# Altium PCB LimeSDR-X3_1v1.PcbDoc (part 21 of 25) (continued)
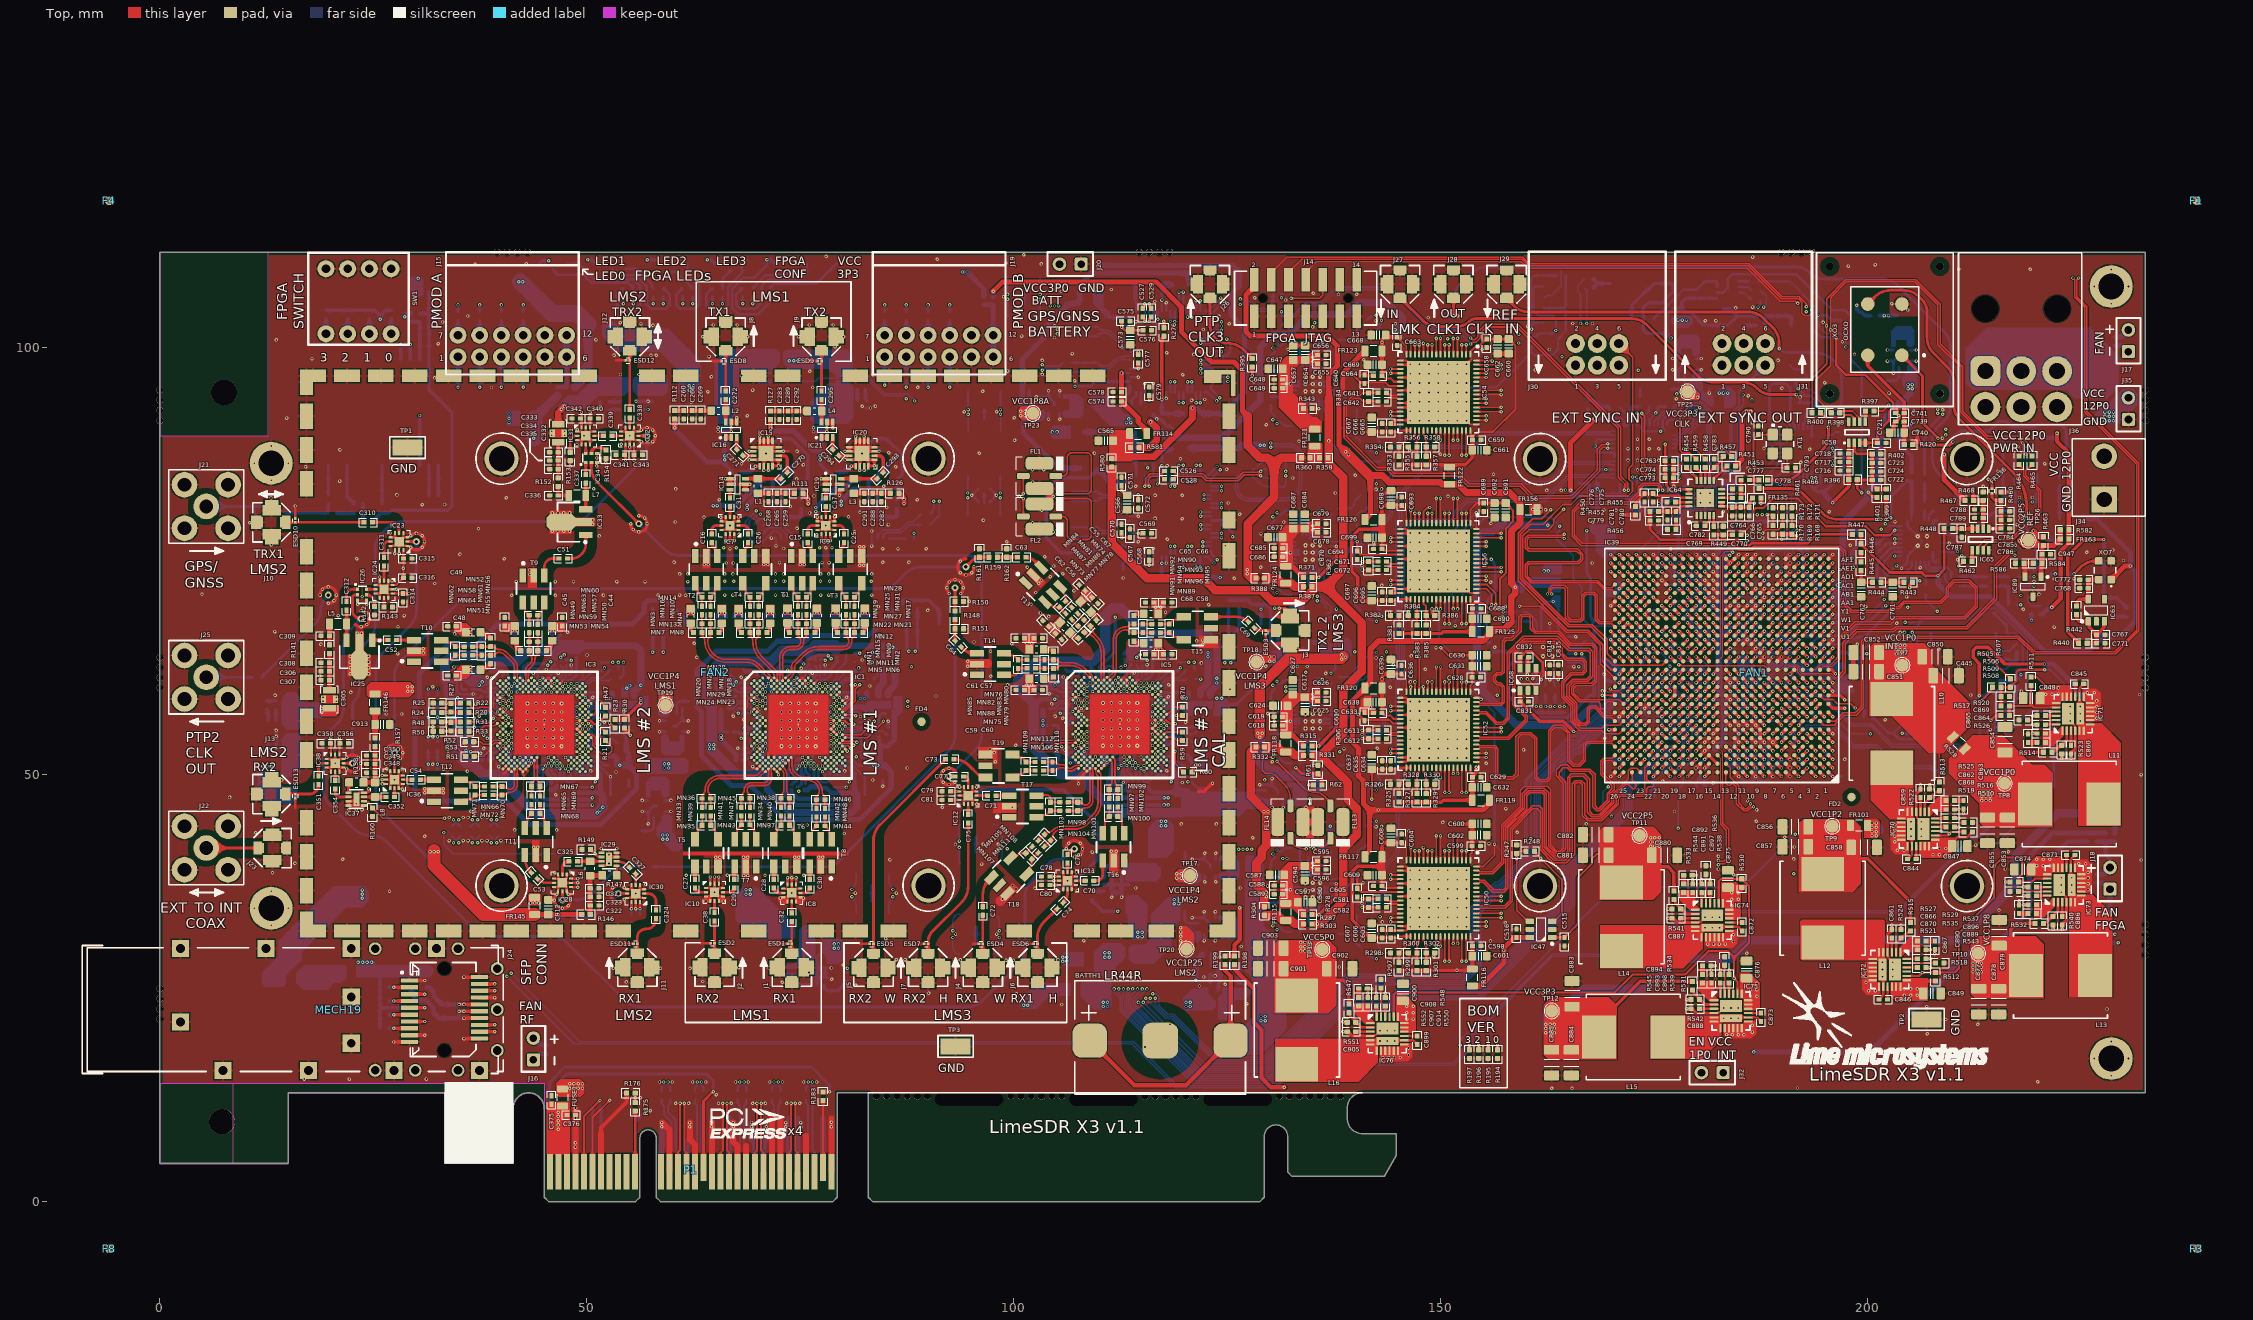
[diagram p0: Top view]
## Nets (pads, with @x,y where several pads share a name; then routed paths per layer and width w, separated by ;. In a path a pad name is that pad's centre, name@x,y a point inside that pad or via, vN(x,y) a via of type N, cw(c..) or ccw(c..) an arc to the next point about the centre after c; other vN are vias at no path point) (continued)
VCC1P0: C469.2 C470.2 C471.2 C472.1 C473.1 C474.1 C475.1 C853.2 C854.2 C855.2 FR100.2 IC39.N13 IC39.R13 IC39.U13 IC39.W13 L11.2 R514.1 R528.1 TP8.1 | length 46.9
  Top w0.2: C855.2@214,44.975 216.4,44.975 216.4,50.025 219.575,46.85 L11.2@219.575,46.5
  Top w0.4: IC39.N13@183.375,62.275 v1(183.875,61.775) ; IC39.R13@183.375,64.275 v1(183.875,64.775) ; IC39.U13@183.375,66.275 v1(183.875,66.775) ; IC39.W13@183.375,68.275 v1(183.875,68.775) ; 217.75,50.75 217.75,51.95 218.423,52.623 R514.1@220.559,52.623 R514.1@220.573,52.623
  Bottom w0.4: C472.1@182.375,67.301 182.399,67.301 183.163,66.537 ; C474.1@183.35,64.275 183.375,64.275 v1(183.875,64.775) C475.1@184.325,64.325 ; v1(183.875,68.775) 184.375,69.275 C471.2@185.375,69.275
  Bottom w0.6: v1@183.832,68.818 183.225,69.425 183.225,75.949 184.201,76.925 C469.2@184.275,76.925
  Bottom w0.8: C470.2@182.125,53.035 183.175,54.085 183.175,59.2 182.575,59.8 182.575,65.95 183.163,66.537
  other v1: 213.325,46.975 213.825,46.975 214.325,46.975 213.325,47.475 213.825,47.475 214.325,47.475 213.325,47.975 213.825,47.975 214.325,47.975
VCC1P0_INT: C445.2 C446.2 C447.2 C448.2 C449.1 C450.1 C451.1 C452.1 C453.1 C454.1 C455.1 C456.1 C457.1 C458.1 C459.1 C460.1 C461.1 C850.2 C851.2 C852.2 IC39.J11 IC39.J13 IC39.K10 IC39.K12 IC39.L11 IC39.L13 IC39.M10 IC39.P10 IC39.T10 IC39.T12 IC39.U11 IC39.V10 IC39.V12 L10.2 R513.1 R528.2 TP7.1 | length 54.1
  Top w0.2: C852.2@201.3,64.45 C852.2@201.3,64.301 C851.2@201.3,62.05 206.35,62.05 203.175,58.875 L10.2@202.825,58.875 ; 206.1,57.275 208.366,55.009 R513.1@208.366,49.116
  Top w0.4: IC39.J13@183.375,58.275 v1(183.875,57.775) ; IC39.L13@183.375,60.275 v1(183.875,59.775) ; IC39.K12@184.375,59.275 v1(184.875,58.775) ; IC39.T12@184.375,65.275 v1(184.875,65.775) ; IC39.V12@184.375,67.275 v1(184.875,67.775) ; IC39.J11@185.375,58.275 v1(185.875,57.775) ; IC39.L11@185.375,60.275 v1(185.875,59.775) ; IC39.U11@185.375,66.275 v1(185.875,66.775) ; IC39.K10@186.375,59.275 v1(186.875,58.775) ; IC39.M10@186.375,61.275 v1(186.875,60.775) ; IC39.P10@186.375,63.275 v1(186.875,63.775) ; IC39.T10@186.375,65.275 v1(186.875,65.775) ; IC39.V10@186.375,67.275 v1(186.875,67.775)
  Bottom w0.4: 183.375,67.275 C453.1@184.375,67.275 v1(184.875,67.775) v1(185.875,66.775) ; v1(183.875,57.775) 183.875,57.76 C448.2@184.35,57.285 ; v1(183.875,59.775) 184.375,59.275 C455.1@184.375,59.242 ; C454.1@184.35,58.25 v1(184.875,58.775) ; C459.1@184.375,66.25 C459.1@184.375,66.275 185.35,65.3 C450.1@185.35,65.275 ; v1(185.875,57.775) 185.9,57.775 C452.1@186.375,58.25 ; v1(185.875,59.775) 185.887,59.775 C449.1@186.4,59.262 186.4,59.25 v1(186.875,58.775) ; v1(186.875,63.775) 187.35,64.25 C457.1@187.35,64.275 187.375,64.275 187.375,65.275 v1(186.875,65.775) ; v1(186.875,67.775) 187.375,67.275 C460.1@187.375,67.25 ; C451.1@187.375,60.3 187.35,60.3 v1(186.875,60.775) 187.35,61.25 C458.1@187.4,61.25
  Bottom w0.6: C447.2@182.3,77.025 182.475,76.85 182.475,68.326 183.4,67.401
  other v1: 203.3,64.125 203.8,64.125 204.3,64.125 203.3,64.625 203.8,64.625 204.3,64.625 203.3,65.125 203.8,65.125 204.3,65.125
VCC1P2: C856.2 C857.2 C858.2 FR101.2 L12.2 R515.1 TP9.1 | length 23
  Top w0.2: C856.2@193,43.875 193,41.475 C858.2@198.05,41.475 194.875,38.3 L12.2@194.525,38.3
  Top w0.4: 198.775,40.125 199.975,40.125 204.984,35.116 204.984,34.82 204.984,32.684 R515.1@204.984,32.67
VCC1P4_LMS1: C932.2 FR18.2 FR19.2 FR20.2 FR21.2 FR22.2 FR23.2 IC82.1 R75.1 R564.1 TP19.1 | length 79.4
  L4 w0.5: v1(80.391,47.157) 80.789,47.157 81.441,46.505
  L4 w1: 66.175,54.825 66.175,52.396 72.546,46.025 77.7,46.025 78.529,45.196 80.76,45.196 81.441,45.877 81.441,46.505
  L4 w1.5: 80,64.721 80.85,65.571 82.65,65.571 83.673,64.548
  L4 w2: 61.3,59.245 65.703,54.842 ; 61.3,59.7 66.321,64.721 80,64.721
  L4 w2.5: 59.25,59.325 60.95,59.325
  Bottom w0.3: C932.2@58.641,58.612 58.641,57.606 59.005,57.242 59.205,57.242 IC82.1@59.205,57.042
  Bottom w0.35: 65.703,55.012 65.741,54.974 FR20.2@66.51,54.974 ; FR23.2@76.697,63.34 76.697,63.718
  Bottom w0.4: 76.697,63.718 76.991,64.012 78.151,64.012 v1(78.251,63.912) v1(78.599,63.565)
  Bottom w0.5: FR19.2@73.953,48.162 73.953,47.918 74.715,47.157 v1(80.391,47.157)
  Bottom w0.6: 65.703,57.562 65.703,55.012 v1(65.703,54.567) v1(65.703,54.122) 67.472,52.353 FR22.2@67.472,51.715
  Bottom w0.8: R75.1@84.156,59.294 84.156,60.152 84.703,60.699 84.703,62.494 84.866,62.657 84.866,63.4
  other v1: 58.941,59.063 59.441,59.063 58.941,59.563 59.441,59.563 83.403,64.304 83.925,64.296
VCC1P4_LMS2: C928.2 FR51.2 FR52.2 FR53.2 FR54.2 FR55.2 FR56.2 IC80.1 R87.1 R562.1 TP17.1 | length 132.2
  L8 w1: v1@47.003,63.662 v1(47.353,64.012) 47.529,64.188 48.703,64.188 53.366,59.525 54.084,59.525 v1(54.655,60.096) v1(54.991,60.432)
  L8 w1.3: 50.925,47.45 52.15,47.45
  L8 w1.5: 52.15,47.45 57.175,52.475 57.175,56.075 54.275,58.975 54.275,59.4
  L8 w2.5: 57.725,53.3 61.225,53.3 65.25,49.275 66.5,49.275 69.35,46.425 77.65,46.425 79.425,44.65 86.325,44.65 86.55,44.425 112.4,44.425 118,38.825 119.25,38.825
  L6 w0.6: v1(37.559,52.516) 36.125,53.95 36.125,57.125 36.55,57.55 37.3,57.55 38.15,58.4 38.15,59 43.1,63.95 46.15,63.95 46.382,63.718 v1(46.947,63.718) 47.059,63.718 v1(47.353,64.012)
  Bottom w0.3: C928.2@120.03,37.586 121.036,37.586 121.4,37.95 121.4,38.15 IC80.1@121.6,38.15
  Bottom w0.35: 35.953,55.012 FR53.2@35.991,54.974 ; FR56.2@46.947,63.34 v1(46.947,63.718)
  Bottom w0.4: v1(46.947,63.718) 47.241,64.012 v1(47.353,64.012)
  Bottom w0.5: FR52.2@44.203,48.162 44.203,47.918 45.04,47.082 50.441,47.082 v1(50.641,47.282)
  Bottom w0.6: 35.953,57.562 35.953,55.012 35.953,54.122 v1(37.559,52.516) 37.722,52.353 FR55.2@37.722,51.715
  Bottom w0.8: R87.1@54.406,59.294 54.406,59.838 v1@54.953,60.385
  other v1: 119.08,37.886 119.58,37.886 119.08,38.386 119.58,38.386
VCC1P4_LMS3: C930.2 FR84.2 FR85.2 FR86.2 FR87.2 FR88.2 FR89.2 IC81.1 R99.1 R563.1 TP18.1 | length 79.8
  L4 w1.5: 103.068,56.075 103.068,59.889 103.65,60.471 103.65,61.675 106.175,64.2 114.325,64.2 116.025,65.9 117.45,65.9 119.15,64.2 120.029,64.2 120.033,64.204 129.546,64.204 130.213,63.538 130.225,63.525
  L8 w1.5: v1(103.4,56.3) v1(103.4,55.775) 101.9,54.275 101.9,52.425 106.575,47.75 118.125,47.75
  Bottom w0.3: C930.2@130.9,62.975 131.906,62.975 132.27,63.339 132.27,63.539 IC81.1@132.47,63.539
  Bottom w0.35: 103.393,55.029 103.431,54.991 ; v1@103.431,55.741 FR86.2@103.951,55.741 ; FR89.2@114.387,63.356 v1(114.387,63.735)
  Bottom w0.4: v1(114.387,63.735) 114.681,64.029 v1(114.793,64.029)
  Bottom w0.5: FR85.2@111.643,48.179 112.524,47.298 v1(118.081,47.298)
  Bottom w0.6: 103.393,57.579 103.393,55.029 103.393,54.407 104.329,53.471 104.329,53.203 105.162,52.37 105.162,51.731
  Bottom w0.8: R99.1@121.846,59.31 121.846,59.855 122.725,60.734 v1(122.725,63.8) v1@122.725,64.2
  other v1: 117.575,47.3 129.95,63.275 130.45,63.275 129.95,63.775 130.45,63.775 122.725,64.275
VCC1P8: C462.2 C463.2 C464.1 C465.1 C466.1 C467.1 C468.1 C877.2 C878.2 C879.2 FR102.1 FR156.1 IC39.J9 IC39.L9 IC39.N9 IC39.R9 IC39.U9 L13.2 R198.1 R484.2 R532.2 TP10.1 | length 233
  Top w0.2: C877.2@212.975,24.925 215.375,24.925 C879.2@215.375,29.975 218.55,26.8 L13.2@218.55,26.45
  Top w0.4: IC39.J9@187.375,58.275 v1(187.875,57.775) ; IC39.L9@187.375,60.275 v1(187.875,59.775) ; IC39.N9@187.375,62.275 v1(187.875,61.775) ; IC39.R9@187.375,64.275 v1(187.875,64.775) ; IC39.U9@187.375,66.275 v1(187.875,66.775) ; 216.725,30.7 216.725,31.9 217.398,32.573 219.534,32.573 R532.2@219.548,32.573
  Top w0.5: R198.1@125.825,27.775 125.825,27.2 128.1,24.925 128.1,20.975 128.975,20.1 128.975,14.5 130.1,13.375 v1(131.65,13.375)
  L4 w0.4: v1(187.875,64.775) 188.375,65.275 188.375,66.275 v1(187.875,66.775)
  L10 w1.5: 161.2,80.975 161.2,75 164.25,71.95 164.25,62.425 166.925,59.75 166.925,49.6 169.1,47.425 172.575,47.425 177.85,42.15 184.95,42.15
  L10 w1.8: 184.95,42.15 191.25,35.85 204.375,35.85 v1(212.3,27.925) v1(212.8,27.425)
  L6 w0.6: v1@131.65,13.425 148.95,13.425 149.4,13.875 165.8,13.875 166.05,13.625 188.275,13.625 191.25,16.6 201.975,16.6 v1(212.3,26.925) v1(212.8,27.425)
  Bottom w0.4: C464.1@187.375,66.275 v1(187.875,66.775) C467.1@188.375,66.275 ; v1@187.875,57.776 C465.1@188.375,58.276 ; v1(187.875,59.775) C466.1@188.375,59.275 ; v1(187.875,61.775) 188.375,62.275 188.375,64.275 ; v1(187.875,64.775) 188.375,64.275 ; C468.1@189.4,64.275 188.375,64.275 ; 190.255,62.775 190.375,62.895 C463.2@190.375,63.275
  Bottom w0.8: FR102.1@188.625,62.775 190.255,62.775 191.885,62.775 192.585,62.075 193.775,62.075 194.425,62.725 C462.2@197.025,62.725
  other v1: 212.8,26.925 213.3,26.925 212.3,27.425 213.3,27.425 212.8,27.925 213.3,27.925 162.075,73.85 162.559,73.85 160.759,81.05 161.718,81.05
VCC1P8_FADC: C500.2 C501.1 FR102.2 IC39.M12 | length 6.6
  Top w0.4: IC39.M12@184.375,61.275 v1(184.875,60.775)
  Bottom w0.4: C500.2@183.375,60.275 C501.1@184.375,60.275 v1(184.875,60.775) 185.375,60.275 186.125,60.275 186.375,60.525 186.375,62.525 FR102.2@186.625,62.775
VCC1P8_LMS1: C7.2 C8.2 C9.2 C10.2 C11.2 C12.2 C13.2 C14.2 C17.2 C18.2 C19.2 C20.2 C21.2 C22.2 C23.2 C24.2 C921.2 FR24.2 FR25.1 FR26.1 FR27.2 FR28.2 FR29.2 FR30.2 FR31.2 FR149.2 FR152.1 FR155.1 MN1.2 MN2.2 MN3.2 MN4.2 MN17.2 MN18.2 MN19.2 MN20.2 R79.2 R85.2 R86.1 TP16.1 | length 29.3
  L4 w0.6: v1(80.391,46.432) 79.918,46.432 79.55,46.8 79.55,47.5 79.946,47.896 80.767,47.896 81.1,48.228 81.1,48.79 v1(80.735,49.155)
  L10 w0.4: 76.45,63.925 76.987,63.388 v1(77.916,63.388)
  Bottom w0.3: v1(67.489,60.855) 67.651,60.693 FR24.2@68.047,60.693 ; 73.578,49.562 73.578,50.606 73.681,50.71 73.681,51.874 FR28.2@74.301,52.494 ; 73.674,49.658 FR27.2@74.146,49.658 ; R79.2@77.341,63.513 77.791,63.513 v1(77.916,63.388)
  Bottom w0.35: 72.787,61.525 72.787,60.045 73.147,59.685 FR29.2@73.392,59.685
  Bottom w0.4: v1(67.718,57.176) FR25.1@68.068,57.176 ; v1(68.067,54.235) FR26.1@68.592,54.235 ; 72.787,61.525 72.322,61.99 72.322,62.539 73.065,63.282 75.063,63.282 v1(75.396,62.949) ; v1(80.735,49.155) R86.1@80.735,49.683
  Bottom w0.5: 73.578,49.562 73.347,49.331 73.347,47.426 74.341,46.432 v1(80.391,46.432)
  other v1: 68.625,36 69.125,36 68.625,36.5 69.125,36.5 59.075,50.775 59.575,50.775 59.075,51.275 59.575,51.275 67.116,60.482 61.829,68.906 62.43,68.906 65.509,68.906 66.111,68.906 67.459,68.906 68.061,68.906 71.139,68.906 71.741,68.906 73.183,68.93 73.785,68.93 76.615,68.93 77.217,68.93 78.81,68.93 79.411,68.93 82.241,68.93 82.843,68.93
VCC1P8_LMS2: C43.2 C44.2 C45.2 C46.2 C47.2 C48.2 C49.2 C50.2 C917.2 FR57.2 FR58.1 FR59.1 FR60.2 FR61.2 FR62.2 FR63.2 FR64.2 FR147.2 FR150.1 FR153.1 MN49.2 MN50.2 MN51.2 MN52.2 R91.2 R97.2 R98.1 TP14.1 | length 33.2
  L4 w0.4: v1(45.401,62.816) 45.439,62.816 45.698,62.557 46.916,62.557 47.748,63.388 v1(48.166,63.388)
  L8 w0.4: 44.376,63.841 v1(45.401,62.816)
  L8 w0.5: 47.2,47.225 49.13,49.155 v1(50.985,49.155) ; 49.5,44.95 50.641,46.091 v1(50.641,46.432)
  Bottom w0.3: 43.828,49.562 43.828,50.606 43.931,50.71 43.931,51.874 FR61.2@44.551,52.494 ; 43.924,49.658 FR60.2@44.396,49.658
  Bottom w0.35: 43.037,61.525 43.037,60.045 43.397,59.685 FR62.2@43.642,59.685
  Bottom w0.4: v1(37.968,57.176) FR58.1@38.418,57.176 ; v1(38.317,54.235) FR59.1@38.842,54.235 ; 43.037,61.525 42.572,61.99 42.572,62.539 42.99,62.957 45.26,62.957 v1(45.401,62.816) ; R91.2@47.541,63.388 v1(48.166,63.388) ; v1(50.985,49.155) R98.1@50.985,49.683
  Bottom w0.5: 43.828,49.562 43.597,49.331 43.597,47.426 44.591,46.432 v1(50.641,46.432)
  other v1: 128.925,21.175 129.425,21.175 128.925,21.675 129.425,21.675 37.366,60.482 37.739,60.855 36.37,61.981 36.37,62.582 36.37,66.381 41.24,66.861 41.842,66.861 45.64,66.861 46.242,66.861 36.37,66.982
VCC1P8_LMS3: C55.2 C56.2 C57.2 C58.2 C59.2 C60.2 C61.2 C62.2 C65.2 C66.2 C67.2 C68.2 C918.2 FR90.2 FR91.1 FR92.1 FR93.2 FR94.2 FR95.2 FR96.2 FR97.2 FR148.2 FR151.1 FR154.1 MN73.2 MN74.2 MN75.2 MN76.2 MN89.2 MN90.2 R103.2 R109.2 R110.1 TP15.1 | length 57.9
  Top w1.2: 128.794,54.7 128.794,54.84 128.794,60.319 132.053,63.578 138.328,63.578 138.6,63.85
  L4 w0.6: v1(117.575,46.448) v1(118.081,46.448) 118.698,46.448 119.206,46.956 119.206,48.391 v1(118.425,49.172)
  Bottom w0.3: 111.268,49.579 111.268,50.623 111.371,50.726 111.371,51.89 FR94.2@111.991,52.51 ; 111.364,49.715 FR93.2@111.79,49.715
  Bottom w0.35: 110.477,61.542 110.477,60.061 110.837,59.701 FR95.2@111.082,59.701
  Bottom w0.4: v1(104.557,54.326) FR92.1@104.882,54.326 ; v1(105.408,57.192) FR91.1@105.758,57.192 ; 110.477,61.542 110.012,62.007 110.012,62.556 111.85,64.393 v1(111.85,68.411) ; R103.2@114.981,63.405 v1(115.606,63.405) ; v1(118.425,49.172) R110.1@118.425,49.699
  Bottom w0.5: 111.268,49.579 111.037,49.348 111.037,47.788 112.377,46.448 v1(117.575,46.448) v1(118.081,46.448)
  Bottom w1.2: 128.8,54.736 128.8,51.529 129.904,50.425 130.775,50.425 131.325,49.875 134.775,49.875 135.555,49.095 FR154.1@135.555,48.411
  other v1: 117.269,44.025 117.769,44.025 117.269,44.525 117.769,44.525 128.794,54.39 128.544,54.84 129.069,54.84 101.498,60.474 102.064,60.474 104.806,60.498 105.18,60.872 138.375,63.491 138.825,63.741 138.375,64.016 116.59,64.651 117.156,64.651 101.517,65.413 102.083,65.413 105.044,67.097 104.644,67.497 116.609,69.589 117.175,69.589 108.55,70.575 108.15,70.975
VCC1P8A: C516.1 C530.2 C531.2 C532.2 C533.2 C942.2 FR105.1 FR106.1 FR107.1 FR108.1 FR116.1 FR117.1 FR119.1 FR120.1 FR122.1 FR123.1 FR125.1 FR126.1 FR156.2 IC47.6 IC86.1 R483.1 R576.2 TP23.1 | length 248.6
  Top w0.6: v1(138.829,87.821) 138.05,88.6 138.05,94.3 138.525,94.775 138.525,97.05 FR123.1@141.1,99.625 ; FR117.1@141.1,40.375 141.1,40.625 141.2,40.725 141.299,40.725 141.65,41.076 141.65,45.85 ; FR126.1@141.1,79.875 141.75,80.525 141.75,84.9 141.75,85.025 ; FR120.1@141.299,60.475 141.2,60.475 141.1,60.375 FR120.1@141.1,60.125 139.625,58.65 139.625,53.8 140.375,53.05 140.375,49.8 140.925,49.25 140.925,46.575 141.65,45.85 ; FR116.1@153.675,25.25 154.65,25.25 157.375,27.975 157.375,29.725 158.572,30.922 C516.1@158.833,30.922 IC47.6@160.422,30.922 ; FR125.1@155.575,66.3 155.575,66.65 FR125.1@155.675,66.75 ; FR119.1@155.675,47 155.575,46.9 155.575,46.55 154.875,45.85 v1(142.65,45.85) 141.65,45.85
  Top w0.7: FR120.1@141.299,60.475 141.725,60.901 141.725,64.675 142.67,65.62 154.895,65.62 FR125.1@155.575,66.3
  Top w0.8: 141.75,85.025 143.15,85.025 143.95,84.225 149.909,84.225 150.134,84 FR122.1@151,84 152,84 152.975,83.025 158.05,83.025 159.25,81.825 159.25,79.475 158.275,78.5 158.275,72.35 v1(158.7,71.925) 158.7,71.225 158.225,70.75 158.225,67.825 157.4,67 FR125.1@155.675,67
  Top w1.2: v1(138.829,87.821) v1(139.175,87.475) 141.75,84.9
  L6 w0.8: v1(142.65,45.85) 142.975,45.85 144.1,44.725 144.1,40.375 145.2,39.275 145.2,32.025 146.025,31.2 153,31.2 154.8,29.4 v1(157.35,29.4)
  L6 w1.3: 101.05,92.3 101.5,92.75 111.95,92.75 112.325,93.125 114.475,93.125 115,92.6 117.875,92.6 121.925,88.55 128.5,88.55 129.875,87.175 138.525,87.175 139,87.65
  Bottom w0.3: C942.2@101.75,91.737 C942.2@101.775,91.737 102.756,91.737 103.12,92.101 103.12,92.301 IC86.1@103.32,92.301
  Bottom w0.6: 101.1,91.8 101.1,90.075 105.297,85.878 C531.2@106.428,85.878 ; v1(101.3,92.537) 100.975,92.863 100.975,98.6 103.85,101.475 103.85,102.575 C533.2@106.428,105.153 ; C531.2@106.428,85.878 FR106.1@107.702,85.877 ; C533.2@106.428,105.153 106.457,105.181 107.356,105.181 107.577,105.402 107.602,105.402 107.702,105.502 FR108.1@107.702,105.752 107.702,107.352 109.075,108.725 C532.2@120.504,108.725 FR107.1@120.504,107.389
  Bottom w0.8: FR105.1@120.691,88.251 C530.2@122.941,88.251 126.276,88.251 126.577,88.552 v1(128.836,88.552) v1@129.275,88.552
  other v1: 129.325,88.552 100.8,92.037 101.3,92.037 100.8,92.537
VCC1P8A_LMS2_BB_ADC1: C603.2 C604.2 C605.2 C606.2 C607.2 C608.2 C609.1 FR117.2 IC50.16 IC50.22 IC50.33 IC50.34 | length 29
  Top w0.2: C608.2@144.15,42.025 145.375,42.025 145.375,41.975 145.525,41.825 145.575,41.825 145.95,41.45 IC50.16@145.95,39.95
  Top w0.24: C607.2@141.9,30.875 C606.2@143.125,30.875 C603.2@144.125,30.875 144.875,30.875 145.05,31.05 IC50.33@145.95,31.05 IC50.34@146.45,31.05 ; C609.1@143.1,38.225 C605.2@143.1,36.95 143.3,36.75 IC50.22@145.25,36.75
  Top w0.4: C607.2@141.9,30.875 141.9,30.85 141.765,30.85 139.625,32.99 139.625,38.65 140.225,39.25 143.1,39.25 ; FR117.2@143.1,40.375 143.1,41.75 143.375,42.025 C608.2@144.15,42.025
  Top w0.8: C609.1@143.1,38.225 143.1,39.25 FR117.2@143.1,40.375
VCC1P8A_LMS2_BB_ADC2: C633.2 C634.2 C635.2 C636.2 C637.2 C638.2 C639.1 FR120.2 IC52.16 IC52.22 IC52.33 IC52.34 | length 34.2
  Top w0.2: C639.1@144.15,61.775 C636.2@145.375,61.775 145.375,61.725 145.525,61.575 145.575,61.575 145.95,61.2 IC52.16@145.95,59.7
  Top w0.24: v1(141.9,47.112) C637.2@141.9,50.625 C635.2@143.125,50.625 C634.2@144.125,50.625 144.875,50.625 145.05,50.8 IC52.33@145.95,50.8 IC52.34@146.45,50.8 ; C638.2@143.1,58.475 C633.2@143.1,57.2 143.15,57.2 143.28,57.07 143.28,57.041 143.421,56.9 144.1,56.9 144.5,56.5 IC52.22@145.25,56.5
  Top w0.4: C638.2@143.1,58.475 FR120.2@143.1,60.125 v1(143.1,61.2) 143.1,61.5 143.375,61.775 C639.1@144.15,61.775
  L8 w0.4: v1(141.9,47.112) 141.9,48.643 141.9,49.057 141.9,50.15 143.1,51.35 v1(143.1,61.2)
VCC1P8A_LMS3_BB_ADC1: C663.2 C664.2 C665.2 C666.2 C667.2 C668.2 C669.1 FR123.2 IC54.16 IC54.22 IC54.33 IC54.34 | length 28.4
  Top w0.2: C663.2@144.875,101.225 145.95,100.15 IC54.16@145.95,99.2
  Top w0.24: v1(140.725,90.125) C667.2@141.9,90.125 C666.2@143.125,90.125 C665.2@144.125,90.125 144.875,90.125 145.05,90.3 IC54.33@145.95,90.3 IC54.34@146.45,90.3 ; C669.1@143.1,97.975 C664.2@143.1,96.7 143.15,96.7 143.28,96.57 143.28,96.541 143.421,96.4 144.1,96.4 144.5,96 IC54.22@145.25,96
  Top w0.4: C669.1@143.1,97.975 FR123.2@143.1,99.625 v1(143.1,100.625) 143.1,101 143.375,101.275 144.825,101.275 C663.2@144.875,101.225
  L6 w0.6: v1(140.725,90.125) 142.025,91.425 142.025,99.55 v1(143.1,100.625)
VCC1P8A_LMS3_BB_ADC2: C693.2 C694.2 C695.2 C696.2 C697.2 C698.2 C699.1 FR126.2 IC56.16 IC56.22 IC56.33 IC56.34 | length 29
  Top w0.2: C698.2@144.15,81.525 145.375,81.525 145.375,81.475 145.525,81.325 145.575,81.325 145.95,80.95 IC56.16@145.95,79.45
  Top w0.24: C697.2@141.9,70.375 C696.2@143.125,70.375 C695.2@144.125,70.375 144.875,70.375 145.05,70.55 IC56.33@145.95,70.55 IC56.34@146.45,70.55 ; C699.1@143.1,77.725 C694.2@143.1,76.425 143.275,76.25 IC56.22@145.25,76.25
  Top w0.4: C697.2@141.9,70.375 141.9,70.35 140.675,70.35 140.275,70.75 140.275,73.1 139.55,73.825 139.55,77.85 140.45,78.75 143.1,78.75 ; FR126.2@143.1,79.875 143.1,81.25 143.375,81.525 C698.2@144.15,81.525
  Top w0.8: C699.1@143.1,77.975 143.1,78.75 FR126.2@143.1,79.625
VCC1P8D_LMS2_BB_ADC1: C598.2 C599.2 C600.2 C601.2 C602.1 FR116.2 IC50.1 IC50.48 R297.2 R299.2 R301.2 | length 43.4
  Top w0.24: IC50.48@153.45,31.05 153.45,30.575 153.675,30.35 C598.2@153.675,29.95 ; IC50.1@153.45,39.95 153.45,40.675 153.65,40.875 C599.2@153.65,41.65
  Top w0.4: R297.2@145.075,27.025 R301.2@148.275,27.025 ; R301.2@148.275,27.075 FR116.2@153.45,27.075 ; v1(152.275,44.225) C600.2@153.65,44.225 C602.1@153.65,42.925 C599.2@153.65,41.65 ; FR116.2@153.675,27.25 C601.2@153.675,28.75 C598.2@153.675,29.95
  L6 w0.6: v1(151.875,27.075) 157.025,27.075 158.425,28.475 158.425,38.075 v1(152.275,44.225)
VCC1P8D_LMS2_BB_ADC2: C628.2 C629.2 C630.2 C631.2 C632.1 FR119.2 IC52.1 IC52.48 R325.2 R327.2 R329.2 | length 38.5
  Top w0.24: v1(149.975,64.85) 150.85,63.975 C630.2@153.65,63.975 C631.2@153.65,62.675 C628.2@153.65,61.4 153.65,60.625 153.45,60.425 IC52.1@153.45,59.7 ; IC52.48@153.45,50.8 153.45,50.325 153.675,50.1 C629.2@153.675,49.8
  Top w0.4: R325.2@145.075,46.775 150.025,46.775 150.25,47 FR119.2@153.675,47 C632.1@153.675,48.5 C629.2@153.675,49.7 153.675,49.8 154.125,50.25 v1(154.125,50.875)
  L10 w0.4: v1(149.975,64.85) 151.3,63.525 152.225,63.525 153.8,61.95 153.8,58.65 154.125,58.325 v1(154.125,50.875)
VCC1P8D_LMS3_BB_ADC1: C658.2 C659.2 C660.2 C661.2 C662.1 FR122.2 IC54.1 IC54.48 R353.2 R355.2 R357.2 | length 32.6
  Top w0.24: IC54.48@153.45,90.3 153.45,89.825 153.675,89.6 ; IC54.1@153.45,99.2 153.45,99.525 153.925,100 154.25,100 155.25,101 C658.2@155.35,101 C662.1@156.625,101 C660.2@157.925,101 158.725,100.2 158.725,92.8 156.075,90.15 154.225,90.15 153.675,89.6 ; C659.2@153.675,89.2 153.675,89.6
  Top w0.4: R353.2@145.075,86.275 152.85,86.275 153.675,87.1 C661.2@153.675,88 C659.2@153.675,89.2
VCC1P8D_LMS3_BB_ADC2: C688.2 C689.2 C690.2 C691.2 C692.1 FR125.2 IC56.1 IC56.48 R381.2 R383.2 R385.2 | length 35.4
  Top w0.24: IC56.48@153.45,70.55 153.45,70.075 153.675,69.85 ; IC56.1@153.45,79.45 153.45,81.025 154.225,81.8 C689.2@155,81.8 C692.1@156.275,81.8 C691.2@157.575,81.8 158.425,80.95 158.425,79.65 157.625,78.85 157.625,73.625 156.9,72.9 156.9,69.781 156.544,69.425 155.575,69.425 154.9,70.1 153.925,70.1 153.675,69.85 ; C688.2@153.675,69.45 153.675,69.85
  Top w0.4: R381.2@145.075,66.525 150.025,66.525 150.25,66.75 FR125.2@153.675,66.75 C690.2@153.675,68.25 C688.2@153.675,69.45
VCC1P25_LMS1: C938.2 FR1.2 FR2.2 FR3.2 FR4.2 FR5.2 FR6.2 FR7.2 FR8.2 FR9.2 FR10.2 FR11.2 FR12.2 FR13.2 FR14.2 FR15.2 FR16.2 FR17.2 IC85.1 R76.1 R570.2 TP22.1 | length 102.9
  L8 w0.35: v2(78.575,58.004) 77.853,58.004 76.425,59.432 76.425,60.621 77.354,61.55 82.487,61.55 85.8,64.863 v1(85.8,64.925)
  L6 w0.7: 65.95,53.246 68.114,55.41 v1(68.397,55.41)
  L6 w1: 64.45,53.246 65.95,53.246
  Bottom w0.2: FR11.2@76.897,48.755 FR11.2@76.91,48.742
  Bottom w0.25: FR14.2@77.913,59.245 78.472,58.686 v2@78.472,58.06
  Bottom w0.3: IC85.1@59.125,44.95 59.125,44.75 59.325,44.75 59.689,44.386 C938.2@59.689,43.38 ; FR13.2@78.827,51.585 79.106,51.306 79.106,51.3 79.252,51.153 79.258,51.153 79.343,51.068 80.379,51.068 80.991,50.457
  Bottom w0.35: FR17.2@71.331,62.324 71.542,62.324 71.847,62.018 71.847,61.794 72.197,61.444 FR4.2@72.197,60.04
  Bottom w0.45: 70.691,50.414 FR8.2@70.691,50.697 ; 71.272,50.107 FR7.2@71.272,51.755
  Bottom w0.5: 64.825,58.046 65.592,58.812 67.097,58.812 FR5.2@67.391,59.107 ; v1(68.397,55.41) 69.83,55.41 69.935,55.305 FR6.2@70.247,55.305 ; FR17.2@71.331,62.399 71.331,62.619 ; FR11.2@77.043,48.583 77.195,48.432 78.016,48.432 78.56,47.887 78.878,47.887 81.341,47.887 81.341,50.107 80.991,50.457
  Bottom w0.6: FR9.2@75.466,48.207 75.822,48.207 76.199,48.583 FR11.2@77.043,48.583
  Bottom w0.8: 71.116,49.957 71.116,48.207 73.748,45.575 81.009,45.575 81.616,46.182 81.616,47.612 81.341,47.887 ; 78.81,65.083 85.51,65.083 86.066,64.527 86.066,60.475 85.256,59.665 R76.1@85.256,59.294
  Bottom w1.2: 70.916,49.987 67.535,49.987 64.603,52.92 64.603,53.5 64.603,57.968 64.025,58.546 64.025,61.625 65.64,63.24 68.353,63.24 71.599,63.24 72.866,64.507 75.941,64.507
  other v1: 58.889,42.43 59.389,42.43 58.889,42.93 59.389,42.93 64.35,53.025 64.825,53.025 64.35,53.5 64.825,53.5
VCC1P25_LMS2: C934.2 FR34.2 FR35.2 FR36.2 FR37.2 FR38.2 FR39.2 FR40.2 FR41.2 FR42.2 FR43.2 FR44.2 FR45.2 FR46.2 FR47.2 FR48.2 FR49.2 FR50.2 IC83.1 R88.1 R568.2 TP20.1 | length 177.6
  L4 w0.6: v2(48.825,58.004) 49.219,58.004 49.841,57.382 50.491,57.382 51.141,58.032 53.872,58.032 v1(56.316,60.475)
  L10 w0.4: v1(34.875,58.975) 34.875,58.523 v1(36.781,56.617)
  L6 w3: 52.325,45.625 55.5,48.8 60.552,48.8 63.975,45.377 63.975,43.475 65.15,42.3 78.3,42.3 79.3,41.3 83.55,41.3 84.125,41.875 90.5,41.875 94.375,38 94.375,37.15 97.9,33.625 105.6,33.625 106.825,32.4 110.45,32.4 113.925,28.925 116.91,28.925 v1(119.546,31.561)
  Bottom w0.2: FR44.2@47.147,48.755 FR44.2@47.16,48.742 ; FR47.2@47.302,59.01 47.302,58.796 47.566,58.532 48.541,58.532 48.825,58.248 v2(48.825,58.004)
  Bottom w0.3: FR46.2@49.077,51.585 49.356,51.306 49.356,51.3 49.502,51.153 49.508,51.153 49.593,51.068 50.629,51.068 51.241,50.457 ; C934.2@119.996,30.711 121.002,30.711 121.366,31.075 121.366,31.275 IC83.1@121.566,31.275
  Bottom w0.35: FR35.2@36.781,56.132 v1(36.781,56.617) ; FR50.2@41.581,62.324 41.792,62.324 42.097,62.018 42.097,61.794 42.447,61.444 FR37.2@42.447,60.04
  Bottom w0.45: 40.941,50.414 FR41.2@40.941,50.697 ; 41.522,50.107 FR40.2@41.522,51.755
  Bottom w0.5: 35.041,58.607 35.122,58.687 ; 35.122,58.812 37.347,58.812 FR38.2@37.641,59.107 ; FR50.2@41.581,62.399 41.581,62.619 ; FR44.2@47.293,48.583 47.445,48.432 48.266,48.432 48.81,47.887 51.591,47.887 51.591,50.107 51.241,50.457
  Bottom w0.6: 45.716,48.207 46.072,48.207 46.449,48.583 FR44.2@47.293,48.583
  Bottom w0.8: 49.06,65.083 55.76,65.083 56.316,64.527 v1(56.316,60.475) 55.506,59.665 R88.1@55.506,59.294 ; 51.591,47.887 51.866,47.612 v1(51.866,46.182)
  Bottom w1.2: 41.166,49.957 41.166,48.207 44.023,45.35 51.034,45.35 v1(51.194,45.51) v1(51.53,45.846) v1(51.866,46.182) ; 41.166,49.987 37.838,49.987 36.45,51.375 35.775,51.375 34.853,52.297 34.853,58.512 33.825,59.54 33.825,60.675 33.366,61.134 33.366,63.082 34.166,63.882 37.993,63.882 38.635,63.24 41.849,63.24 43.116,64.507 46.191,64.507
  other v1: 119.546,30.561 119.546,31.061 119.546,32.061
VCC1P25_LMS3: C936.2 FR67.2 FR68.2 FR69.2 FR70.2 FR71.2 FR72.2 FR73.2 FR74.2 FR75.2 FR76.2 FR77.2 FR78.2 FR79.2 FR80.2 FR81.2 FR82.2 FR83.2 IC84.1 R100.1 R569.2 TP21.1 | length 109.1
  L4 w0.6: v1(104.787,58.829) 105.021,58.829 106.15,57.7 106.15,57.273 106.4,57.023 106.4,56.406 v1(106.087,56.094) ; v2(116.212,58.076) 116.549,58.076 117.2,57.425 118.1,57.425 118.4,57.725 120.756,57.725 v1(123.756,60.725) v1(123.756,61.275)
  Bottom w0.2: FR77.2@114.587,48.771 FR77.2@114.6,48.759
  Bottom w0.25: FR80.2@115.603,59.262 116.212,58.652 v2(116.212,58.076)
  Bottom w0.3: FR79.2@116.517,51.601 116.796,51.322 116.796,51.316 116.943,51.17 116.949,51.17 117.034,51.085 118.07,51.085 118.681,50.473 ; C936.2@127.93,46.286 128.936,46.286 129.3,46.65 129.3,46.85 IC84.1@129.5,46.85
  Bottom w0.35: FR83.2@109.021,62.34 109.232,62.34 109.537,62.035 109.537,61.81 109.887,61.46 FR70.2@109.887,60.056
  Bottom w0.45: 108.381,50.43 FR74.2@108.381,50.713 ; 108.962,50.123 FR73.2@108.962,51.771
  Bottom w0.5: 102.293,58.018 103.104,58.829 v1(104.787,58.829) FR71.2@105.081,59.123 ; v1(106.087,56.094) 106.162,56.019 FR72.2@106.765,56.019 ; FR72.2@106.765,56.094 FR68.2@106.765,56.6 FR68.2@106.765,56.675 ; FR83.2@109.021,62.415 109.021,63.075 ; FR77.2@114.734,48.6 114.885,48.448 115.706,48.448 116.25,47.904 119.031,47.904 119.031,50.123 118.681,50.473
  Bottom w0.6: 113.156,48.223 113.512,48.223 113.889,48.6 114.587,48.6 FR77.2@114.734,48.6
  Bottom w0.8: 115.699,65.975 116.324,66.6 122.675,66.6 123.756,65.519 v1(123.756,61.275) v1(123.756,60.725) 123.756,60.492 122.946,59.682 R100.1@122.946,59.31 ; 119.648,45.523 120.925,46.8
  Bottom w1: 119.031,47.904 120.271,47.904 120.925,47.25
  Bottom w1.1: 108.806,49.973 108.806,48.594 111.877,45.523 119.648,45.523
  Bottom w1.2: 102.293,58.018 102.293,53.132 105.421,50.004 108.606,50.004 ; 102.293,58.307 100.5,60.1 100.5,61.075 102.681,63.256 109.206,63.256 110.7,64.75 110.7,68.69 111.485,69.475 112.52,69.475 115.47,66.525